# Altium PCB CT310高端控制盒核心板电路V1.3.PcbDoc (part 6 of 10)
Units mil, origin at the board's own origin, x right, y up, seen from the top; angles counter-clockwise.
Board outline 3735.76 x 4625 mil, 2 copper layers (TOP, BOTTOM), stack 10.4 mil thick; 198 components, 362 nets, 1085 pads, 352 vias.
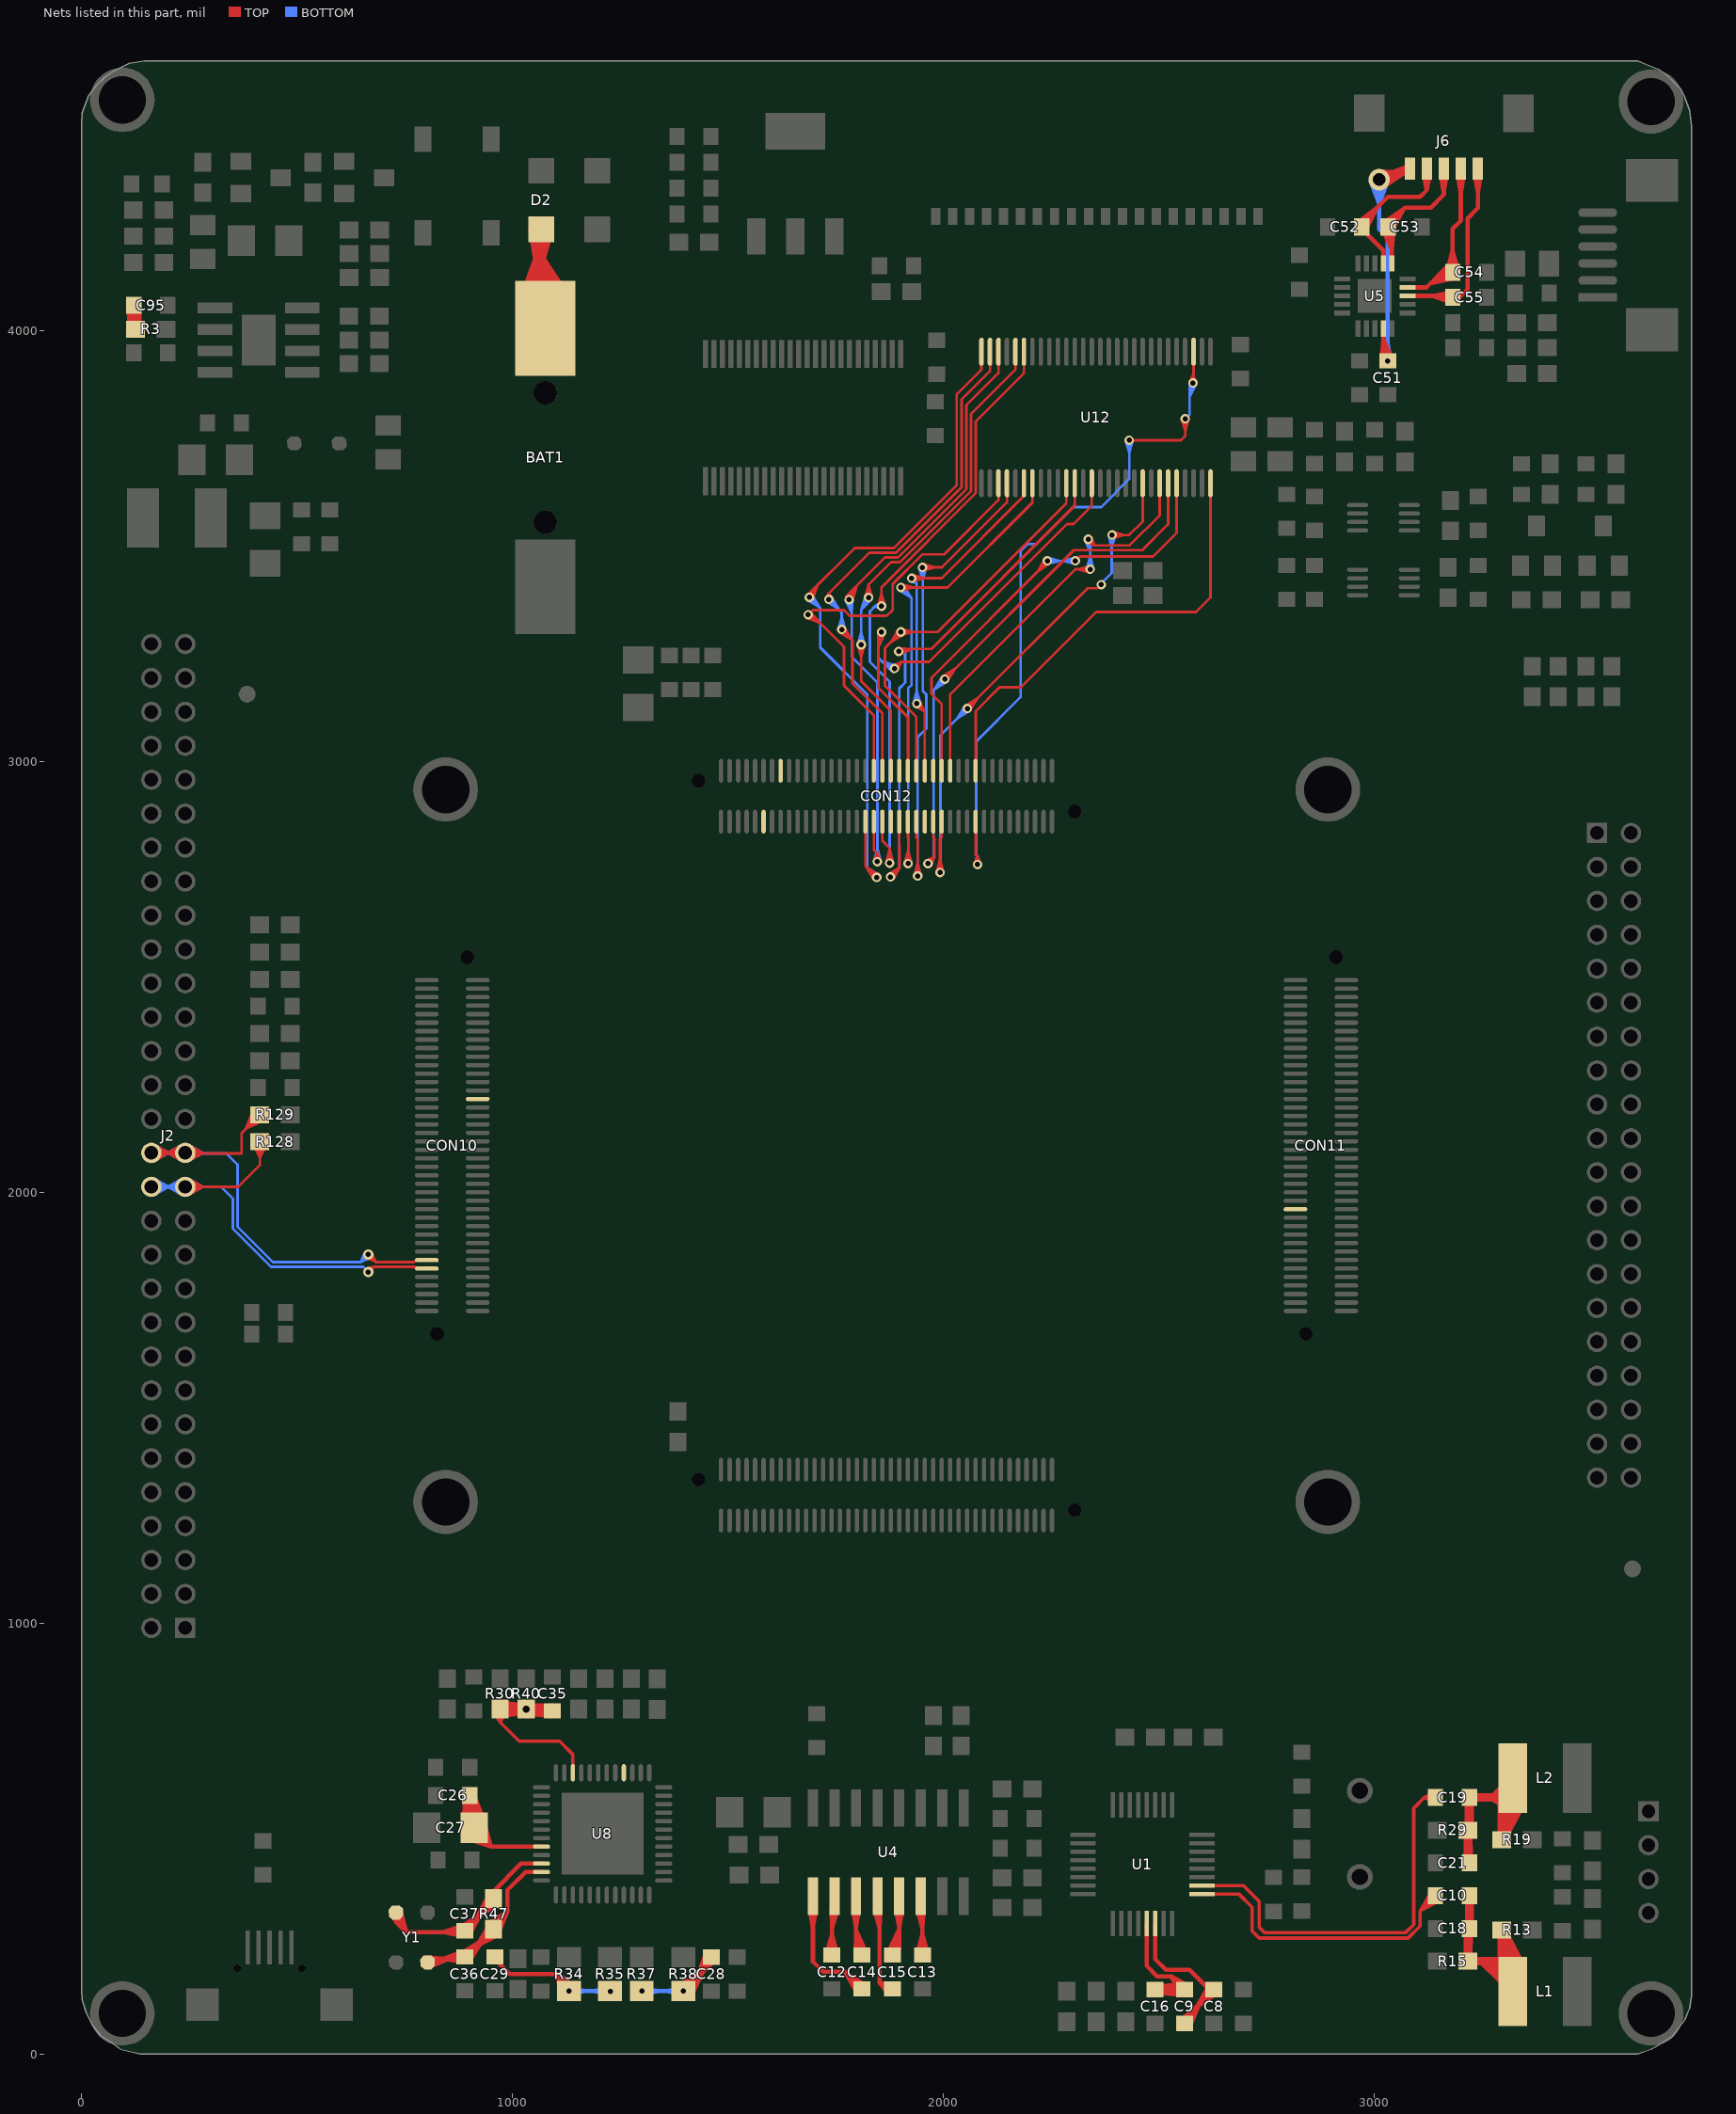
[diagram p6: the nets of this part, all layers, seen from the top]

## Via types
v1: diameter 22, hole 12, TOP to BOTTOM, tented both sides, 177 vias
v2: diameter 22, hole 12, TOP to BOTTOM, 89 vias
v3: diameter 28, hole 16, TOP to BOTTOM, 37 vias
v4: diameter 30, hole 20, TOP to BOTTOM, tented both sides, 26 vias
v5: diameter 24, hole 12, TOP to BOTTOM, 17 vias
v6: diameter 50, hole 30, TOP to BOTTOM, tented both sides, 5 vias
v7: diameter 40, hole 24, TOP to BOTTOM, 1 vias

## Nets (pads, with @x,y where several pads share a name; then routed paths per layer and width w, separated by ;. In a path a pad name is that pad's centre, name@x,y a point inside that pad or via, vN(x,y) a via of type N, cw(c..) or ccw(c..) an arc to the next point about the centre after c; other vN are vias at no path point) (continued)
LCD_VD4: CON12.27 U12.20 | length 1701.9
  TOP w6: v2@1983.69,2742.67 1991.61,2770.57 v2@1999.54,2742.67 ; v2(1991.61,2741.57) 1991.61,2819.43 1995.54,2823.36 ; CON12.27@1995.54,2837.36 1995.54,2823.36 ; CON12.27@1995.54,2859.86 1995.54,2823.36 ; v2@2049.97,3128.86 2078.64,3146.3 v2@2061.2,3117.63 ; v2(2054.91,3122.57) 2333.91,3401.57 2357.33,3401.57 v1(2365.76,3410) ; v1(2390.76,3525) 2430.76,3525 2461.88,3556.12 U12.20@2461.88,3645.4 ; v1@2391.86,3517.08 2419.76,3525 v1@2391.86,3532.92 ; 2461.88,3594.92 U12.20@2461.88,3618.23
  BOTTOM w6: v2@1983.79,2743.26 1991.61,2760.57 ; v2(1991.61,2741.57) 1991.61,2760.57 ; v2@1999.43,2743.26 1991.61,2760.57 ; v2@2048.62,3127.51 2031.18,3098.84 ; v2@2059.85,3116.28 2031.18,3098.84 ; v1(2365.76,3410) 2365.76,3413.13 2389.76,3437.13 2389.76,3524 v1(2390.76,3525) 2389.76,3495.96 ; v1@2382.8,3524.17 2389.76,3495.96 ; v1@2398.64,3523.63 2389.76,3495.96 ; 1991.61,2760.57 1992.61,2761.57 1992.61,3060.28 v2(2054.91,3122.57) 2031.18,3098.84
LCD_VD5: CON12.26 U12.22 | length 1290.5
  TOP w6: CON12.26@2015.23,2977.98 2015.23,3155.13 2305.67,3445.57 v1(2340.19,3445.57) 2311.19,3445.57 ; CON12.26@2015.23,3000.48 2015.23,3023.48 ; v1@2331.36,3508.32 2349.76,3501 ; v1(2335.76,3515) 2349.76,3501 ; v1@2339.09,3437.65 2311.19,3445.57 ; v1@2339.09,3453.49 2311.19,3445.57 ; v1@2342.44,3519.4 2349.76,3501 ; 2501.25,3594.92 U12.22@2501.25,3618.23 ; U12.22@2501.25,3645.4 2501.25,3570.49 2431.76,3501 2349.76,3501
  BOTTOM w6: v1@2328.07,3512.8 2340.19,3485.02 ; v1@2332.27,3446.67 2340.19,3474.57 v1@2348.11,3446.67 ; v1(2340.19,3445.57) 2340.19,3510.57 v1(2335.76,3515) 2340.19,3485.02 ; v1@2343.76,3515.11 2340.19,3485.02
LCD_VD6: CON12.29 U12.23 | length 1596.8
  TOP w6: v2@1959.13,2769.19 1978.61,2777.57 ; v2(1963.61,2762.57) 1978.61,2777.57 ; v2@1970.24,2758.08 1978.61,2777.57 ; CON12.29@1975.86,2837.36 1975.86,2823.36 ; CON12.29@1975.86,2859.86 1975.86,2823.36 ; v2@1997.81,3197 2026.48,3214.44 v2@2009.05,3185.77 ; v2(2002.76,3190.71) 2302.04,3490 2460.76,3490 2520.94,3550.18 U12.23@2520.94,3645.4 ; 2520.94,3594.92 U12.23@2520.94,3618.23 ; 1975.86,2823.36 1978.61,2820.61 1978.61,2777.57
  BOTTOM w6: v2@1959.27,2769.29 1977.05,2776.01 ; v2(1963.61,2762.57) 1977.05,2776.01 ; v2@1970.33,2758.23 1977.05,2776.01 ; v2@1996.47,3195.66 1979.03,3166.99 ; v2@2007.7,3184.42 1979.03,3166.99 ; 1977.05,2776.01 1977.05,3165.01 v2(2002.76,3190.71) 1979.03,3166.99
LCD_VD7: CON12.28 U12.24 | length 1313.8
  TOP w6: CON12.28@1995.54,2977.98 1995.54,3132.65 1971.61,3156.57 1971.61,3193.57 2240.76,3462.72 v1(2240.76,3465) 2218.16,3440.12 ; CON12.28@1995.54,3000.48 1995.54,3023.48 ; v1@2234.24,3469.64 2218.16,3440.12 ; v1@2246,3458.95 2218.16,3440.12 ; v1(2305.76,3465) 2315.76,3475 2485.76,3475 2540.62,3529.86 U12.24@2540.62,3645.4 ; 2540.62,3594.92 U12.24@2540.62,3618.23
  BOTTOM w6: v1(2240.76,3465) v1(2305.76,3465) ; v1@2241.86,3457.08 2269.76,3465 v1@2241.86,3472.92 ; v1@2304.66,3457.08 2276.76,3465 v1@2304.66,3472.92
LCD_VD8: CON12.31
LCD_VD9: CON12.30
LCD_VD10: CON12.33 U12.4 | length 1452.1
  TOP w6: v2@1931.69,2734.67 1939.61,2762.57 v2@1947.54,2734.67 ; CON12.33@1936.49,2837.36 1936.49,2823.36 ; CON12.33@1936.49,2859.86 1936.49,2823.36 ; v2(1939.61,2733.57) 1939.61,2820.24 1936.49,2823.36 ; v1(1950.76,3450) 1996.32,3450 2146.92,3600.6 ; v1@1951.86,3442.08 1979.76,3450 v1@1951.86,3457.92 ; U12.4@2146.92,3618.23 2146.92,3600.6 ; U12.4@2146.92,3645.4 2146.92,3600.6
  BOTTOM w6: v2@1931.69,2734.67 1939.61,2762.57 v2@1947.54,2734.67 ; v2(1939.61,2733.57) 1939.61,3055.57 1959.61,3075.57 1959.61,3154.86 1951.61,3162.86 1951.61,3449.15 v1(1950.76,3450) 1951.61,3420.97 ; v1@1942.87,3448.67 1951.61,3420.97 ; v1@1958.71,3449.13 1951.61,3420.97
LCD_VD11: CON12.32 U12.6 | length 1053.9
  TOP w6: v1(1925.76,3425) 1995.76,3425 2186.29,3615.53 U12.6@2186.29,3645.4 ; v1@1926.86,3417.08 1954.76,3425 v1@1926.86,3432.92 ; v2@1932.89,3127.12 1956.17,3115.02 ; v2(1937.61,3133.57) 1956.17,3115.02 ; v2@1944.07,3138.3 1956.17,3115.02 ; CON12.32@1956.17,2977.98 1956.17,3115.02 ; CON12.32@1956.17,3000.48 1956.17,3023.48
  BOTTOM w6: v1@1921.62,3418.16 1937.61,3413.15 ; v1(1925.76,3425) 1937.61,3413.15 ; v2@1929.69,3134.67 1937.61,3162.57 v2@1945.54,3134.67 ; v1@1932.6,3429.14 1937.61,3413.15 ; v2(1937.61,3133.57) 1937.61,3413.15
LCD_VD12: CON12.35 U12.7 | length 1457.1
  TOP w6: v1(1900.76,3403.42) 2009.18,3403.42 2205.98,3600.22 ; v1@1901.86,3395.5 1929.76,3403.42 v1@1901.86,3411.35 ; v2@1909.69,2763.67 1917.61,2791.57 v2@1925.54,2763.67 ; CON12.35@1916.8,2837.36 1916.8,2823.36 ; CON12.35@1916.8,2859.86 1916.8,2823.36 ; v2(1917.61,2762.57) 1917.61,2822.54 1916.8,2823.36 ; U12.7@2205.98,3618.23 2205.98,3600.22 ; U12.7@2205.98,3645.4 2205.98,3600.22
  BOTTOM w6: v1@1895.82,3397.13 1924.49,3379.7 v1@1907.05,3408.37 ; v1(1900.76,3403.42) 1925.61,3378.57 1925.61,3177.57 1917.61,3169.57 v2(1917.61,2762.57) ; v2@1909.69,2763.67 1917.61,2791.57 v2@1925.54,2763.67
LCD_VD13: CON12.34 U12.11 | length 1122.8
  TOP w6: v2@1894.47,3304.94 1877.03,3276.27 ; v2@1901.86,3292.08 1929.76,3300 v2@1901.86,3307.92 ; v2@1905.7,3293.71 1877.03,3276.27 ; CON12.34@1936.49,2977.98 1936.49,3102.69 1863.61,3175.57 1863.61,3262.85 v2(1900.76,3300) ; CON12.34@1936.49,3000.48 1936.49,3023.48 ; U12.11@2284.72,3618.23 2284.72,3598.96 ; U12.11@2284.72,3645.4 2284.72,3598.96 ; 1877.03,3276.27 v2(1900.76,3300) ; v2(1900.76,3300) 1985.76,3300 2284.72,3598.96
LCD_VD14: CON12.37 U12.12 | length 1578.7
  TOP w6: v2@1871.77,2737.94 1897.61,2752.57 ; v2(1876.61,2731.57) 1897.61,2752.57 ; v2@1882.98,2726.73 1897.61,2752.57 ; v2@1895.36,3262.99 1927.32,3260.57 ; v2(1895.76,3255) 1927.32,3260.57 ; 1897.12,2814.36 CON12.37@1897.12,2837.36 ; CON12.37@1897.12,2859.86 1897.12,2804.35 1897.61,2803.86 1897.61,2752.57 ; v2@1898.12,3247.36 1927.32,3260.57 ; v2@1903.61,3260.57 1971.33,3260.57 2304.4,3593.64 U12.12@2304.4,3645.4 ; 2304.4,3594.92 U12.12@2304.4,3618.23
  BOTTOM w6: v2@1871.79,2737.96 1897.05,2752.01 ; v2(1876.61,2731.57) 1897.05,2752.01 ; v2@1883,2726.75 1897.05,2752.01 ; v2(1895.76,3255) 1910.76,3253.42 ; v2@1897.06,3247.11 1910.76,3253.42 ; v2@1898.68,3262.45 1910.76,3253.42 ; v2@1903.61,3260.57 1910.76,3253.42 ; 1897.05,2752.01 1897.05,3169.01 1910.76,3182.72 1910.76,3253.42
LCD_VD15: CON12.36 U12.14 | length 1584.8
  TOP w6: v2@1847.8,3300.76 1848.61,3267.26 ; v2@1863.32,3297.37 1848.61,3267.26 ; v2@1881.23,3221.6 1901.21,3230.45 ; v2(1885.76,3215) 1901.21,3230.45 ; v2@1892.36,3210.47 1901.21,3230.45 ; CON12.36@1916.8,2977.98 1916.8,3102.39 1848.61,3170.57 1848.61,3292.85 v2(1855.76,3300) 1848.61,3267.26 ; CON12.36@1916.8,3000.48 1916.8,3023.48 ; 2343.77,3594.92 U12.14@2343.77,3618.23 ; U12.14@2343.77,3645.4 2343.77,3593.01 2301.33,3550.57 2286.33,3550.57 1966.21,3230.45 1901.21,3230.45
  BOTTOM w6: v2@1847.79,3300.74 1848.61,3266.53 ; 1848.61,3290.57 1848.61,3240 1873.61,3215 ; v2(1855.76,3300) 1848.61,3266.53 ; v2@1863.33,3297.43 1848.61,3266.53 ; v2@1880.95,3208.61 1856.81,3231.8 ; v2@1888.92,3222.35 1856.81,3231.8 ; 1856.81,3231.8 v2(1885.76,3215) ; 1873.61,3215 v2(1885.76,3215) ; 1873.61,3215 1883.13,3207.45 1873.61,3215 ; 1873.61,3215 1883.13,3222.55 1873.61,3215 ; 1873.61,3215 v2(1885.76,3215) ; 1873.61,3215 v2(1885.76,3215)
LCD_VD16: CON12.39
LCD_VD17: CON12.38
LCD_VD18: CON12.41 U12.51 | length 1730.2
  TOP w6: v2@1847.84,3361.1 1855.76,3389 v2@1863.68,3361.1 ; v2(1855.76,3360) 1855.76,3403.72 2074.55,3622.51 2074.55,3788.58 2186.29,3900.32 ; CON12.41@1857.75,2837.36 1857.75,2815.43 ; CON12.41@1857.75,2859.86 1857.75,2815.43 ; v2@1866.69,2764.67 1874.61,2792.57 v2@1882.54,2764.67 ; v2(1874.61,2763.57) 1874.61,2798.57 1857.75,2815.43 ; U12.51@2186.29,3923.35 2186.29,3900.32 ; U12.51@2186.29,3950.52 2186.29,3900.32
  BOTTOM w6: v2@1853.63,3352.29 1840.76,3360 ; v2@1853.63,3367.71 1840.76,3360 ; v2@1866.69,2764.67 1874.61,2792.57 v2@1882.54,2764.67 ; v2(1874.61,2763.57) 1874.61,3184.57 1828.61,3230.57 1828.61,3347.85 1840.76,3360 ; 1840.76,3360 v2(1855.76,3360) 1840.76,3360
LCD_VD19: CON12.40 U12.52 | length 1538.2
  TOP w6: v2@1800.69,3269.47 1808.61,3241.57 v2@1816.54,3269.47 ; v2(1808.61,3270.57) 1808.61,3185.57 1877.43,3116.76 CON12.40@1877.43,2977.98 ; v2@1817.84,3381.1 1825.76,3409 v2@1833.68,3381.1 ; v2(1825.76,3380) 1825.76,3410 1877.76,3462 1898.48,3462 2063.55,3627.07 2063.55,3805.98 2166.61,3909.03 ; CON12.40@1877.43,3000.48 1877.43,3023.48 ; U12.52@2166.61,3923.35 2166.61,3909.03 ; U12.52@2166.61,3950.52 2166.61,3909.03
  BOTTOM w6: v2@1800.69,3271.67 1808.61,3299.57 v2@1816.54,3271.67 ; v2(1808.61,3270.57) 1808.61,3351.57 1825.76,3368.72 ; v2@1818.43,3383.21 1809.2,3352.16 ; v2@1825.76,3380.57 1825.76,3368.72 ; v2@1832.08,3375.09 1809.2,3352.16 ; 1809.2,3352.16 v2(1825.76,3380) ; 1825.76,3368.72 1833.24,3377.16 1825.76,3368.72 ; 1825.76,3368.72 1818.28,3377.16 1825.76,3368.72 ; 1825.76,3368.72 v2(1825.76,3380) ; 1825.76,3368.72 v2(1825.76,3380)
LCD_VD20: CON12.43 U12.54 | length 1821
  TOP w6: v2@1774.17,3379.54 1798.34,3407.58 ; v2@1774.4,3381.36 1774.4,3383.64 1863.76,3473 1893.93,3473 2052.55,3631.63 2052.55,3826.58 2127.24,3901.26 ; v2(1780.76,3375) 1798.34,3407.58 ; v2@1788.17,3371.98 1798.34,3407.58 ; 1838.06,2814.36 CON12.43@1838.06,2837.36 ; CON12.43@1838.06,2859.86 1838.06,2794.19 1846.26,2785.98 ; v2@1838.44,2768.67 1846.26,2785.98 ; v2(1846.26,2766.98) 1846.26,2785.98 ; v2@1854.08,2768.67 1846.26,2785.98 ; U12.54@2127.24,3923.35 2127.24,3901.26 ; U12.54@2127.24,3950.52 2127.24,3901.26
  BOTTOM w6: v2@1773.14,3372.55 1786.61,3343.71 ; v2@1774.4,3381.36 1786.61,3369.15 1786.61,3242.57 1846.26,3182.92 v2(1846.26,2766.98) ; v2(1780.76,3375) 1786.61,3343.71 ; v2@1788.75,3375.47 1786.61,3343.71 ; v2@1838.34,2768.09 1846.26,2795.98 v2@1854.19,2768.09
LCD_VD21: CON12.42 U12.55 | length 1476.9
  TOP w6: v2@1725.93,3377.79 1733.61,3390 ; v2(1733.61,3375.57) 1733.61,3390 ; v2@1741.3,3377.79 1733.61,3390 ; v2@1758.67,3299.28 1787.34,3281.84 v2@1769.9,3310.51 ; v2(1763.61,3305.57) 1788.61,3280.57 1788.61,3180.57 1857.75,3111.43 CON12.42@1857.75,2977.98 ; CON12.42@1857.75,3000.48 1857.75,3023.48 ; U12.55@2107.55,3923.35 2107.55,3905.58 ; U12.55@2107.55,3950.52 2107.55,3905.58 ; 1733.61,3390 1827.61,3484 1889.37,3484 2041.55,3636.18 2041.55,3839.58 2107.55,3905.58
  BOTTOM w6: v2@1728.67,3369.28 1757.34,3351.84 v2@1739.9,3380.51 ; v2(1733.61,3375.57) 1763.61,3345.57 v2(1763.61,3305.57) ; v2@1755.69,3306.67 1763.61,3334.57 v2@1771.54,3306.67
LCD_VD22: CON12.45 U12.56 | length 2039.1
  TOP w6: v2@1682.54,3385.78 1708.57,3409.95 ; v2(1688.61,3380.57) 1708.57,3409.95 ; v2@1688.61,3390 1793.61,3495 1884.81,3495 2030.55,3640.74 2030.55,3851.72 2087.87,3909.03 ; v2@1695.7,3376.85 1708.57,3409.95 ; 1818.38,2814.36 CON12.45@1818.38,2837.36 ; CON12.45@1818.38,2859.86 1818.38,2756.8 v2(1844.61,2730.57) 1820.89,2754.3 ; v2@1838.32,2725.63 1820.89,2754.3 ; v2@1849.56,2736.86 1820.89,2754.3 ; U12.56@2087.87,3923.35 2087.87,3909.03 ; U12.56@2087.87,3950.52 2087.87,3909.03
  BOTTOM w6: v2@1683.67,3374.28 1712.34,3356.84 v2@1694.9,3385.51 ; v2(1688.61,3380.57) 1713.61,3355.57 1713.61,3264 1822.61,3155 1822.61,2752.57 ; v2@1838.28,2725.69 1822.61,2752.57 ; v2@1849.5,2736.91 1822.61,2752.57 ; 1822.61,2752.57 v2(1844.61,2730.57) 1822.61,2752.57
LCD_VD23: CON12.44 U12.3 | length 1195.7
  TOP w6: v2@1681.98,3332.95 1713.76,3320.42 ; v2(1685.76,3340) 1713.76,3320.42 ; v2@1691.08,3345.97 1713.76,3320.42 ; CON12.44@1838.06,2977.98 1838.06,3106.13 1768.61,3175.57 1768.61,3265.57 1689.97,3344.21 1696.33,3350.57 1768.61,3350.57 1781.61,3337.57 1868.33,3337.57 1881.76,3351 1881.76,3411.29 1950.47,3480 2000.76,3480 2127.24,3606.48 ; CON12.44@1838.06,3000.48 1838.06,3023.48 ; U12.3@2127.24,3618.23 2127.24,3606.48 ; U12.3@2127.24,3645.4 2127.24,3606.48
LCD_VOTCLK: CON12.19 U12.31 | length 1991
  TOP w6: v2@2070.79,2762.26 2078.61,2779.57 ; CON12.19@2074.28,2837.36 2074.28,2823.36 ; CON12.19@2074.28,2859.86 2074.28,2823.36 ; v2(2078.61,2760.57) 2078.61,2779.57 ; v2@2086.43,2762.26 2078.61,2779.57 ; v1(2430.76,3745) 2550.76,3745 2560.76,3755 v1(2560.76,3795) ; v1@2552.84,3793.9 2560.76,3766 v1@2568.68,3793.9 ; v1@2570.79,3879.33 2578.61,3896.64 ; v1(2578.61,3877.64) 2578.61,3896.64 ; 2579.99,3900.04 U12.31@2579.99,3923.35 ; U12.31@2579.99,3950.52 2579.99,3898.02 2578.61,3896.64 ; v1@2586.43,3879.33 2578.61,3896.64 ; 2074.28,2823.36 2074.61,2823.02 2074.61,2783.57 2078.61,2779.57
  BOTTOM w6: v2@2070.79,2762.26 2078.61,2779.57 ; v2(2078.61,2760.57) 2078.61,2779.57 ; v2@2086.43,2762.26 2078.61,2779.57 ; v1@2422.84,3743.9 2430.76,3716 v1@2438.68,3743.9 ; v1(2430.76,3745) 2430.76,3655 2365.76,3590 2301.32,3590 2215.32,3504 2194.76,3504 2178.61,3487.85 2178.61,3148.57 2075.61,3045.57 2075.61,2782.57 2078.61,2779.57 ; v1(2560.76,3795) 2570.76,3805 2570.76,3869.79 v1(2578.61,3877.64) 2570.76,3844.42 ; v1@2570.67,3878.56 2570.76,3844.42 ; v1@2586.13,3874.9 2570.76,3844.42
LCD_VSYNC: CON12.20 U12.28 | length 1104.4
  TOP w6: CON12.20@2074.28,2977.98 2074.28,3116.24 2129.61,3171.57 2179.61,3171.57 2354.36,3346.31 2585.81,3346.31 2619.36,3379.87 U12.28@2619.36,3645.4 ; CON12.20@2074.28,3000.48 2074.28,3023.48 ; 2619.36,3594.92 U12.28@2619.36,3618.23
LINK&ACT: U8.28
MD_RESETBB: CON11.56
MD_RSTN: CON12.66
MD_USBDN: CON10.13 J2.29 J2.30 R129.2 | length 3186.8
  TOP w6: J2.30@161.39,2091 J2.29@240.13,2091 ; J2.30@162.28,2082.42 203.01,2091 ; J2.30@162.28,2099.57 203.01,2091 ; J2.30@163.96,2076.6 203.01,2091 ; J2.30@163.96,2105.39 203.01,2091 ; J2.30@166.5,2071.02 203.01,2091 ; J2.30@166.5,2110.98 203.01,2091 ; J2.29@235.02,2071.02 198.51,2091 ; J2.29@235.02,2110.98 198.51,2091 ; J2.29@237.56,2076.6 198.51,2091 ; J2.29@237.56,2105.39 198.51,2091 ; J2.29@239.24,2082.42 198.51,2091 ; J2.29@239.24,2099.57 198.51,2091 ; J2.29@240.82,2082.4 281.77,2090 ; J2.29@241.23,2099.55 281.77,2090 ; J2.29@242.35,2076.55 281.77,2090 ; J2.29@243.04,2105.33 281.77,2090 ; J2.29@244.75,2070.9 281.77,2090 ; J2.29@245.71,2110.85 281.77,2090 ; R129.2@397.12,2188.44 380.77,2147.09 ; R129.2@402.6,2185.83 380.77,2147.09 ; R129.2@407.63,2182.52 380.77,2147.09 ; R129.2@411.21,2179.5 380.77,2147.09 ; R129.2@413.18,2179.5 370.76,2137.08 370.76,2090 241.13,2090 J2.29@240.13,2091 ; R129.2@414.45,2176.12 380.77,2147.09 ; R129.2@418.07,2171.3 380.77,2147.09 ; R129.2@421.02,2166 380.77,2147.09 ; v5@659.53,1847.65 681.88,1837.81 ; v5(664.61,1855.07) 681.88,1837.81 ; v5@672.04,1860.16 681.88,1837.81 ; CON10.13@778.16,1842.15 770.85,1837.81 ; CON10.13@800.66,1842.15 775.19,1842.15 770.85,1837.81 ; J2.29@240.13,2091 281.77,2090 ; 681.88,1837.81 770.85,1837.81
  BOTTOM w6: J2.30@161.39,2091 J2.29@240.13,2091 ; J2.30@162.28,2082.42 203.01,2091 ; J2.30@162.28,2099.57 203.01,2091 ; J2.30@163.96,2076.6 203.01,2091 ; J2.30@163.96,2105.39 203.01,2091 ; J2.30@166.5,2071.02 203.01,2091 ; J2.30@166.5,2110.98 203.01,2091 ; J2.29@235.02,2071.02 198.51,2091 ; J2.29@235.02,2110.98 198.51,2091 ; J2.29@237.56,2076.6 198.51,2091 ; J2.29@237.56,2105.39 198.51,2091 ; J2.29@239.24,2082.42 198.51,2091 ; J2.29@239.24,2099.57 198.51,2091 ; J2.29@240.82,2082.4 281.76,2090 ; J2.29@241.23,2099.55 281.76,2090 ; J2.29@242.35,2076.55 281.76,2090 ; J2.29@243.04,2105.33 281.76,2090 ; J2.29@244.75,2070.9 281.76,2090 ; J2.29@245.71,2110.85 281.76,2090 ; v5@657.2,1860.17 647.11,1837.57 ; v5@669.72,1847.66 647.11,1837.57 ; J2.29@240.13,2091 241.13,2090 335.76,2090 361.76,2064 361.76,1919.56 443.75,1837.57 647.11,1837.57 ; J2.29@240.13,2091 281.76,2090 ; 647.11,1837.57 v5(664.61,1855.07) 647.11,1837.57
MD_USBDP: CON10.11 J2.27 J2.28 R128.2 | length 2285.1
  TOP w6: J2.27@240.13,2012.26 363.02,2012.26 413.18,2062.42 R128.2@413.18,2116.57 ; J2.27@241.02,2003.68 281.75,2012.26 ; J2.27@241.02,2020.83 281.75,2012.26 ; J2.27@242.7,1997.86 281.75,2012.26 ; J2.27@242.7,2026.65 281.75,2012.26 ; J2.27@245.24,1992.28 281.75,2012.26 ; J2.27@245.24,2032.24 281.75,2012.26 ; R128.2@396.91,2112.88 413.18,2078.89 ; R128.2@402.6,2115.06 413.18,2078.89 ; R128.2@408.5,2116.28 413.18,2078.89 ; R128.2@417.86,2116.28 413.18,2078.89 ; R128.2@423.76,2115.06 413.18,2078.89 ; R128.2@429.45,2112.88 413.18,2078.89 ; v5@660.12,1822.37 676.85,1826.81 ; v5(664.61,1814.57) 676.85,1826.81 ; v5@672.41,1810.08 676.85,1826.81 ; CON10.11@778.16,1822.47 770.87,1826.81 ; CON10.11@800.66,1822.47 775.21,1822.47 770.87,1826.81 ; 676.85,1826.81 770.87,1826.81
  BOTTOM w6: J2.28@161.39,2012.26 J2.27@240.13,2012.26 323.5,2012.26 350.76,1985 350.76,1915 439.19,1826.57 652.61,1826.57 v5(664.61,1814.57) ; J2.28@162.28,2003.68 203.01,2012.26 ; J2.28@162.28,2020.83 203.01,2012.26 ; J2.28@163.96,1997.86 203.01,2012.26 ; J2.28@163.96,2026.65 203.01,2012.26 ; J2.28@166.5,1992.28 203.01,2012.26 ; J2.28@166.5,2032.24 203.01,2012.26 ; J2.27@235.02,1992.28 198.51,2012.26 ; J2.27@235.02,2032.24 198.51,2012.26 ; J2.27@237.56,1997.86 198.51,2012.26 ; J2.27@237.56,2026.65 198.51,2012.26 ; J2.27@239.24,2003.68 198.51,2012.26 ; J2.27@239.24,2020.83 198.51,2012.26 ; J2.27@241.02,2003.68 281.75,2012.26 ; J2.27@241.02,2020.83 281.75,2012.26 ; J2.27@242.7,1997.86 281.75,2012.26 ; J2.27@242.7,2026.65 281.75,2012.26 ; J2.27@245.24,1992.28 281.75,2012.26 ; J2.27@245.24,2032.24 281.75,2012.26
MD_WAKEUP_AP: CON12.69
MOTOR_PWM: CON10.52
NetBAT1_1: BAT1.1 D2.1 | length 1421
  TOP w20: BAT1.1@1016.16,4051.96 1060.76,4175.27 ; BAT1.1@1035.79,4046.54 1060.76,4175.27 ; D2.1@1045.79,4233.4 1060.76,4144.14 ; BAT1.1@1055.77,4044.23 1060.76,4175.27 ; BAT1.1@1060.76,4005 1060.76,4229.51 D2.1@1065.76,4234.51 1060.76,4144.14 ; BAT1.1@1075.76,4045 1060.76,4175.27 ; D2.1@1085.49,4231.21 1060.76,4144.14 ; BAT1.1@1095.4,4048.8 1060.76,4175.27 ; BAT1.1@1114.33,4055.58 1060.76,4175.27 ; BAT1.1@1132.21,4065.32 1060.76,4175.27
NetC8_2: C8.2 C9.2 U1.30 | length 712.1
  TOP w10: 2491.09,242.68 U1.30@2491.09,277.6 ; U1.30@2491.09,302.2 2491.09,219.67 2515.76,195 2570.76,195 2616.39,149.37 C8.2@2627.43,149.37 2559.09,81.04 C9.2@2559.09,70.63 ; C9.2@2551.67,79.21 2592.34,114.29 ; C9.2@2561.06,70.63 2592.34,114.29 ; C9.2@2572.2,64.5 2592.34,114.29 ; C8.2@2615.26,156.97 2588.5,110.44 ; C8.2@2625.46,149.37 2588.5,110.44 ; C8.2@2633.58,139.58 2588.5,110.44
NetC9_1: C9.1 C16.2 U1.29 | length 1168.4
  TOP w10: 2471.41,242.68 U1.29@2471.41,277.6 ; U1.29@2471.41,302.2 2471.41,204.35 2495.76,180 2528.46,180 ; C16.2@2490.76,149.37 C9.1@2559.09,149.37 2528.46,180 ; C16.2@2492.73,149.37 C9.1@2540.44,149.37 ; C16.2@2494.42,136.77 C9.1@2540.44,149.37 ; C16.2@2494.42,161.97 C9.1@2540.44,149.37 ; C9.1@2546.63,142.19 2528.46,180 ; C9.1@2553.29,137.25 C16.2@2507.68,158.34 ; C9.1@2553.29,161.49 C16.2@2507.68,140.4 ; C9.1@2557.79,136.67 C16.2@2507.68,140.4 ; C9.1@2557.79,162.07 C16.2@2507.68,158.34 ; C9.1@2564.99,159.37 2528.46,180 ; C16.2@2507.68,140.4 C9.1@2557.12,149.37 ; C16.2@2507.68,158.34 C9.1@2557.12,149.37 ; C16.2@2509.41,149.37 2555.43,136.77 C16.2@2509.41,149.37 ; C16.2@2509.41,149.37 2555.43,161.97 C16.2@2509.41,149.37 ; C16.2@2509.41,149.37 C9.1@2557.12,149.37 ; C16.2@2509.41,149.37 C9.1@2557.12,149.37 ; 2528.46,180 C9.1@2557.12,149.37
NetC10_1: C10.1 C18.1 L1.2 R13.2 R15.2 | length 1487.7
  TOP w20: R15.2@3218.16,215 3250.96,215 ; C18.1@3220.13,289.03 R15.2@3216.19,215 ; L1.2@3297.23,207.93 R13.2@3295.33,287.6 L1.2@3295.33,170.63 ; L1.2@3297.7,188.62 R13.2@3295.33,286.62 ; L1.2@3310.15,171.13 3250.96,215 ; L1.2@3316.1,209.95 3297.3,287.6 L1.2@3334.78,215.22 ; L1.2@3320.96,145 L1.2@3295.33,170.63 ; L1.2@3324.64,215.21 3250.96,215 ; L1.2@3342.74,200.82 R13.2@3295.33,286.62 ; R15.2@3216.19,215 3216.19,287.06 C18.1@3220.13,291 ; R15.2@3216.19,215 3250.96,215 ; C18.1@3220.13,291 C10.1@3220.13,367 3220.13,292.97 3220.13,365.03 C18.1@3220.13,291 ; 3250.96,215 L1.2@3295.33,170.63 ; 3250.96,215 3320.96,192 R13.2@3295.33,286.62
NetC10_2: C10.2 U1.1 | length 945.1
  TOP w8: U1.1@2599.36,371.1 2684.66,371.1 2715.76,340 2715.76,285 2732.14,268.62 3077.76,268.62 3105.76,296.62 3105.76,331.37 C10.2@3141.39,367 ; U1.1@2623.97,371.1 2652.89,371.1 ; C10.2@3130.64,373.55 3106.7,332.31 ; C10.2@3137.23,368.95 3106.7,332.31 ; C10.2@3141.39,365.03 3106.7,332.31 ; C10.2@3145.06,360.65 3106.7,332.31 ; C10.2@3149.27,353.8 3106.7,332.31
NetC12_2: C12.2 U4.2 | length 361.8
  TOP w10: C12.2@1728.16,231.06 1740.76,277.09 C12.2@1753.36,231.06 ; U4.2@1739.92,334.86 1740.76,292.42 ; C12.2@1740.76,229.37 1740.76,359.99 U4.2@1746.72,365.95 ; U4.2@1746.72,334.45 1740.76,292.42 ; U4.2@1753.36,332.96 1740.76,292.42